# Altium PCB CubeSat Backplane.PcbDoc (part 4 of 4)
Units mm, origin at the board's own origin, x right, y up, seen from the top; angles counter-clockwise.
Board outline 79 x 138 mm, 6 copper layers (Top Layer, H1-ODD, H1-EVEN, H2-ODD, H2-EVEN, Bottom Layer), stack 1.576 mm thick; 61 components, 140 nets, 1310 pads, 1091 vias.
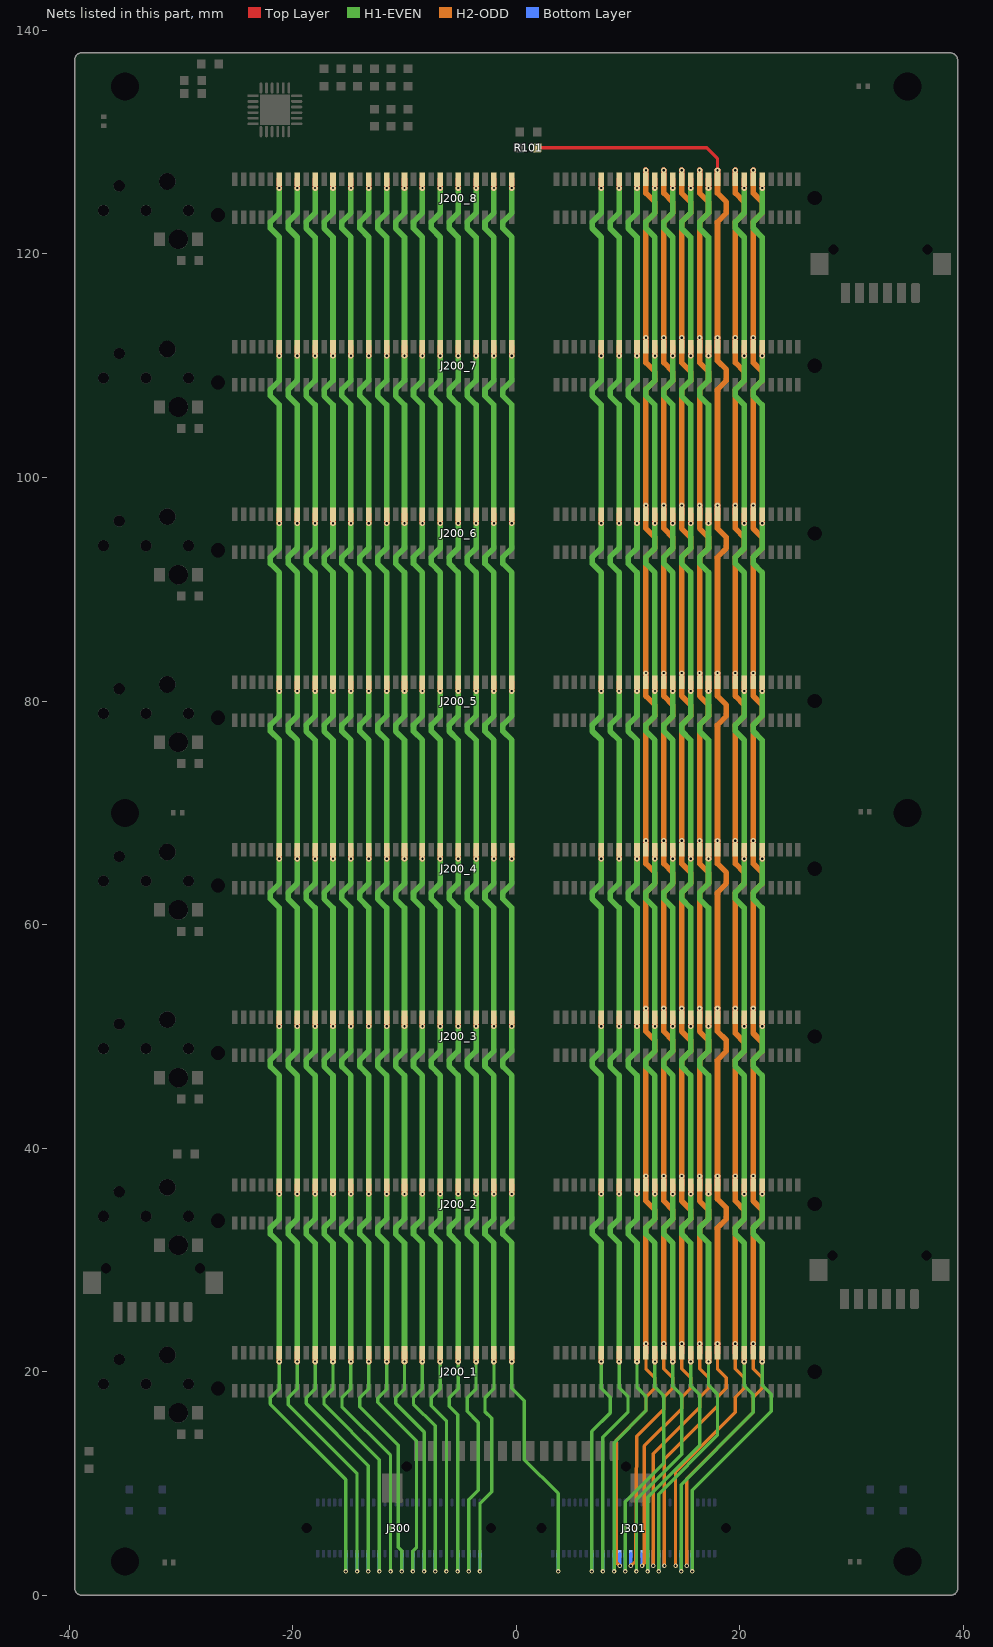
[diagram p8: the nets of this part, all layers, seen from the top]

## Via types
v1: diameter 0.5, hole 0.2, Top Layer to Bottom Layer, tented both sides, 1022 vias
v2: diameter 0.4, hole 0.2, Top Layer to Bottom Layer, tented both sides, 65 vias
v3: diameter 0.6, hole 0.3, Top Layer to Bottom Layer, tented both sides, 3 vias
v4: diameter 0.762, hole 0.406, Top Layer to Bottom Layer, tented both sides, 1 vias

## Nets (pads, with @x,y where several pads share a name; then routed paths per layer and width w, separated by ;. In a path a pad name is that pad's centre, name@x,y a point inside that pad or via, vN(x,y) a via of type N, cw(c..) or ccw(c..) an arc to the next point about the centre after c; other vN are vias at no path point) (continued)
TOP_ROW.H1-40: J200_1.86 J200_2.86 J200_3.86 J200_4.86 J200_5.86 J200_6.86 J200_7.86 J200_8.86 J301.26 | length 138.9
  Top Layer w0.5: J200_3.86@11.6,51.7 v1(11.6,52.5) ; J200_6.86@11.6,96.699 v1(11.6,97.499) ; J200_7.86@11.6,111.699 v1(11.6,112.499) ; J200_8.86@11.6,126.699 v1(11.6,127.499) ; J200_1.86@11.6,21.7 v1@11.6,22.5 ; J200_2.86@11.6,36.7 v1(11.6,37.5) ; J200_4.86@11.6,66.7 v1(11.6,67.5) ; J200_5.86@11.6,81.7 v1(11.6,82.5)
  H2-ODD w0.3: v2(9.25,2.625) 8.95,2.925 8.95,13.85 11.6,16.5 11.6,17.7 12.4,18.5 12.4,19.475 11.6,20.275 v1(11.6,22.5)
  H2-ODD w0.5: v1(11.6,22.5) 11.6,32.875 12.4,33.675 12.4,34.475 11.6,35.275 v1(11.6,37.5) 11.6,47.875 12.4,48.675 12.4,49.65 11.6,50.45 v1(11.6,52.5) 11.6,62.875 12.4,63.675 12.4,64.65 11.6,65.45 v1(11.6,67.5) 11.6,77.875 12.4,78.675 12.4,79.65 11.6,80.45 v1(11.6,82.5) 11.6,92.875 12.4,93.674 12.4,94.649 11.6,95.449 v1(11.6,97.499) 11.6,107.874 12.4,108.674 12.4,109.475 11.6,110.275 v1(11.6,112.499) 11.6,122.874 12.4,123.674 12.4,124.649 11.6,125.449 v1(11.6,127.499)
  Bottom Layer w0.3: v2(9.25,2.625) J301.26@9.25,3.7
TOP_ROW.H1-42: J200_1.90 J200_2.90 J200_3.90 J200_4.90 J200_5.90 J200_6.90 J200_7.90 J200_8.90 J301.30 | length 138.8
  Top Layer w0.5: J200_1.90@13.2,21.7 v1@13.2,22.5 ; J200_2.90@13.2,36.7 v1(13.2,37.5) ; J200_3.90@13.2,51.7 v1(13.2,52.5) ; J200_4.90@13.2,66.7 v1(13.2,67.5) ; J200_5.90@13.2,81.7 v1(13.2,82.5) ; J200_6.90@13.2,96.699 v1(13.2,97.499) ; J200_7.90@13.2,111.699 v1(13.2,112.499) ; J200_8.90@13.2,126.699 v1(13.2,127.499)
  H2-ODD w0.3: v2(10.25,2.625) 10.678,3.046 10.778,14.228 13.2,16.65 13.2,17.7 14,18.5 14,19.475 13.2,20.275 v1(13.2,22.5)
  H2-ODD w0.5: v1(13.2,22.5) 13.2,32.875 14,33.675 14,34.475 13.2,35.275 v1(13.2,37.5) 13.2,47.875 14,48.675 14,49.65 13.2,50.45 v1(13.2,52.5) 13.2,62.875 14,63.675 14,64.65 13.2,65.45 v1(13.2,67.5) 13.2,77.875 14,78.675 14,79.65 13.2,80.45 v1(13.2,82.5) 13.2,92.875 14,93.674 14,94.649 13.2,95.449 v1(13.2,97.499) 13.2,107.874 14,108.674 14,109.475 13.2,110.275 v1(13.2,112.499) 13.2,122.874 14,123.674 14,124.649 13.2,125.449 v1(13.2,127.499)
  Bottom Layer w0.3: v2(10.25,2.625) J301.30@10.25,3.7
TOP_ROW.H1-44: J200_1.94 J200_2.94 J200_3.94 J200_4.94 J200_5.94 J200_6.94 J200_7.94 J200_8.94 J301.34 | length 139.1
  Top Layer w0.5: J200_1.94@14.8,21.7 v1@14.8,22.5 ; J200_2.94@14.8,36.7 v1(14.8,37.5) ; J200_3.94@14.8,51.7 v1(14.8,52.5) ; J200_4.94@14.8,66.7 v1(14.8,67.5) ; J200_5.94@14.8,81.7 v1(14.8,82.5) ; J200_6.94@14.8,96.699 v1(14.8,97.499) ; J200_7.94@14.8,111.699 v1(14.8,112.499) ; J200_8.94@14.8,126.699 v1(14.8,127.499)
  H2-ODD w0.3: v2(11.25,2.625) 11.25,2.651 11.45,2.851 11.45,13.35 14.8,16.7 14.8,17.7 15.6,18.5 15.6,19.475 14.8,20.275 v1(14.8,22.5)
  H2-ODD w0.5: v1(14.8,22.5) 14.8,32.875 15.6,33.675 15.6,34.475 14.8,35.275 v1(14.8,37.5) 14.8,47.875 15.6,48.675 15.6,49.65 14.8,50.45 v1(14.8,52.5) 14.8,62.875 15.6,63.675 15.6,64.65 14.8,65.45 v1(14.8,67.5) 14.8,77.875 15.6,78.675 15.6,79.65 14.8,80.45 v1(14.8,82.5) 14.8,92.875 15.6,93.674 15.6,94.649 14.8,95.449 v1(14.8,97.499) 14.8,107.874 15.6,108.674 15.6,109.475 14.8,110.275 v1(14.8,112.499) 14.8,122.874 15.6,123.674 15.6,124.649 14.8,125.449 v1(14.8,127.499)
  Bottom Layer w0.3: v2(11.25,2.625) J301.34@11.25,3.7
TOP_ROW.H1-46: J200_1.98 J200_2.98 J200_3.98 J200_4.98 J200_5.98 J200_6.98 J200_7.98 J200_8.98 J301.38 | length 139.4
  Top Layer w0.5: J200_1.98@16.4,21.7 v1@16.4,22.5 ; J200_2.98@16.4,36.7 v1(16.4,37.5) ; J200_3.98@16.4,51.7 v1(16.4,52.5) ; J200_4.98@16.4,66.7 v1(16.4,67.5) ; J200_5.98@16.4,81.7 v1(16.4,82.5) ; J200_6.98@16.4,96.699 v1(16.4,97.499) ; J200_7.98@16.4,111.699 v1(16.4,112.499) ; J200_8.98@16.4,126.699 v1(16.4,127.499)
  H2-ODD w0.3: v2(12.25,2.625) 12.25,12.65 16.4,16.8 16.4,17.7 17.2,18.5 17.2,19.475 16.4,20.275 v1(16.4,22.5)
  H2-ODD w0.5: v1(16.4,22.5) 16.4,32.875 17.2,33.675 17.2,34.475 16.4,35.275 16.4,47.875 17.2,48.675 17.2,49.65 16.4,50.45 16.4,62.875 17.2,63.675 17.2,64.65 16.4,65.45 16.4,77.875 17.2,78.675 17.2,79.65 16.4,80.45 v1(16.4,82.5) 16.4,92.875 17.2,93.674 17.2,94.649 16.4,95.449 16.4,107.874 17.2,108.674 17.2,109.475 16.4,110.275 16.4,122.874 17.2,123.674 17.2,124.649 16.4,125.449 v1(16.4,127.499)
  Bottom Layer w0.3: v2(12.25,2.625) J301.38@12.25,3.7
TOP_ROW.H1-48: J200_1.102 J200_2.102 J200_3.102 J200_4.102 J200_5.102 J200_6.102 J200_7.102 J200_8.102 J301.42 R101.2 | length 157.2
  Top Layer w0.3: R101.2@1.872,129.5 17.05,129.5 18,128.55 v1(18,127.499)
  Top Layer w0.5: J200_1.102@18,21.7 v1(18,22.5) ; J200_2.102@18,36.7 v1(18,37.5) ; J200_3.102@18,51.7 v1(18,52.5) ; J200_4.102@18,66.7 v1(18,67.5) ; J200_5.102@18,81.7 v1(18,82.5) ; J200_6.102@18,96.699 v1(18,97.499) ; J200_7.102@18,111.699 v1(18,112.499) ; J200_8.102@18,126.699 v1(18,127.499)
  H2-ODD w0.3: v2(13.25,2.625) 13.25,12.175 18,16.925 18,17.7 18.8,18.5 18.8,19.475 18,20.275 v1(18,22.5)
  H2-ODD w0.5: v1(18,22.5) 18,32.875 18.8,33.675 18.8,34.65 18,35.45 18,47.875 18.8,48.675 18.8,49.65 18,50.45 18,62.875 18.8,63.675 18.8,64.65 18,65.45 18,77.875 18.8,78.675 18.8,79.65 18,80.45 18,92.875 18.8,93.674 18.8,94.649 18,95.449 18,107.874 18.8,108.674 18.8,109.649 18,110.449 18,122.874 18.8,123.674 18.8,124.649 18,125.449 v1(18,127.499)
  Bottom Layer w0.3: v2(13.25,2.625) J301.42@13.25,3.7
TOP_ROW.H1-50: J200_1.106 J200_2.106 J200_3.106 J200_4.106 J200_5.106 J200_6.106 J200_7.106 J200_8.106 J301.46 | length 139.9
  Top Layer w0.5: J200_6.106@19.6,96.699 v1(19.6,97.499) ; J200_7.106@19.6,111.699 v1(19.6,112.499) ; J200_1.106@19.6,21.7 v1(19.6,22.5) ; J200_2.106@19.6,36.7 v1(19.6,37.5) ; J200_3.106@19.6,51.7 v1(19.6,52.5) ; J200_4.106@19.6,66.7 v1(19.6,67.5) ; J200_5.106@19.6,81.7 v1(19.6,82.5) ; J200_8.106@19.6,126.699 v1(19.6,127.499)
  H2-ODD w0.3: v2@14.25,2.625 14.25,11.025 19.6,16.375 19.6,17.7 20.4,18.5 20.4,19.475 19.6,20.275 v1(19.6,22.5)
  H2-ODD w0.5: v1(19.6,127.499) 19.6,125.449 20.4,124.649 20.4,123.674 19.6,122.874 v1(19.6,112.499) 19.6,110.275 20.4,109.475 20.4,108.674 19.6,107.874 v1(19.6,97.499) 19.6,95.449 20.4,94.649 20.4,93.674 19.6,92.875 v1(19.6,82.5) 19.6,80.45 20.4,79.65 20.4,78.675 19.6,77.875 v1(19.6,67.5) 19.6,65.45 20.4,64.65 20.4,63.675 19.6,62.875 v1(19.6,52.5) 19.6,50.275 20.4,49.475 20.4,48.675 19.6,47.875 v1(19.6,37.5) 19.6,35.275 20.4,34.475 20.4,33.675 19.6,32.875 v1(19.6,22.5)
  Bottom Layer w0.3: v2(14.25,2.625) J301.46@14.25,3.7
TOP_ROW.H1-52: J200_1.110 J200_2.110 J200_3.110 J200_4.110 J200_5.110 J200_6.110 J200_7.110 J200_8.110 J301.50 | length 140.1
  Top Layer w0.5: J200_3.110@21.2,51.7 v1(21.2,52.5) ; J200_6.110@21.2,96.699 v1(21.2,97.499) ; J200_7.110@21.2,111.699 v1(21.2,112.499) ; J200_8.110@21.2,126.699 v1(21.2,127.499) ; J200_1.110@21.2,21.7 v1@21.2,22.5 ; J200_2.110@21.2,36.7 v1(21.2,37.5) ; J200_4.110@21.2,66.7 v1(21.2,67.5) ; J200_5.110@21.2,81.7 v1(21.2,82.5)
  H2-ODD w0.3: v2(15.25,2.625) 15.25,10.425 21.2,16.375 21.2,17.7 22,18.5 22,19.475 21.2,20.275 v1(21.2,22.5)
  H2-ODD w0.5: v1(21.2,22.5) 21.2,32.875 22,33.675 22,34.475 21.2,35.275 v1(21.2,37.5) 21.2,47.875 22,48.675 22,49.475 21.2,50.275 21.2,62.875 22,63.675 22,64.65 21.2,65.45 v1(21.2,67.5) 21.2,77.875 22,78.675 22,79.65 21.2,80.45 v1(21.2,82.5) 21.2,92.875 22,93.674 22,94.649 21.2,95.449 v1(21.2,97.499) 21.2,107.874 22,108.674 22,109.475 21.2,110.275 v1(21.2,112.499) 21.2,122.874 22,123.674 22,124.649 21.2,125.449 v1(21.2,127.499)
  Bottom Layer w0.3: v2(15.25,2.625) J301.50@15.25,3.7
TOP_ROW.H2-2: J200_1.12 J200_2.12 J200_3.12 J200_4.12 J200_5.12 J200_6.12 J200_7.12 J200_8.12 J300.12 | length 139.4
  Top Layer w0.5: v1@-21.2,50.9 J200_3.12@-21.2,51.7 ; v1(-21.2,20.9) J200_1.12@-21.2,21.7 ; v1(-21.2,35.9) J200_2.12@-21.2,36.7 ; v1(-21.2,65.9) J200_4.12@-21.2,66.7 ; v1(-21.2,80.9) J200_5.12@-21.2,81.7 ; v1(-21.2,95.899) J200_6.12@-21.2,96.699 ; v1(-21.2,110.899) J200_7.12@-21.2,111.699 ; v1(-21.2,125.899) J200_8.12@-21.2,126.699
  H1-EVEN w0.3: v1(-21.2,20.9) -21.2,18.475 -22,17.675 -22,17.1 -15.25,10.35 v2(-15.25,2.125)
  H1-EVEN w0.5: -21.2,91.499 -22,92.299 -22,92.874 -21.2,93.675 -21.2,106.499 ; -21.2,106.499 -22,107.299 -22,107.874 -21.2,108.675 -21.2,121.499 ; -21.2,121.499 -22,122.299 -22,122.874 -21.2,123.675 v1(-21.2,125.899) ; v1(-21.2,20.9) -21.2,31.5 -22,32.3 -22,32.875 -21.2,33.675 -21.2,46.5 -22,47.3 -22,47.875 -21.2,48.675 -21.2,61.5 -22,62.3 -22,62.875 -21.2,63.675 -21.2,76.5 -22,77.3 -22,77.875 -21.2,78.675 ; -21.2,78.775 -21.2,91.499
  Bottom Layer w0.3: v2(-15.25,2.125) J300.12@-15.25,3.7
  other v1: -21.2,50.9
TOP_ROW.H2-4: J200_1.16 J200_2.16 J200_3.16 J200_4.16 J200_5.16 J200_6.16 J200_7.16 J200_8.16 J300.16 | length 139.2
  Top Layer w0.5: v1@-19.6,50.9 J200_3.16@-19.6,51.7 ; v1(-19.6,95.899) J200_6.16@-19.6,96.699 ; v1(-19.6,110.899) J200_7.16@-19.6,111.699 ; v1(-19.6,125.899) J200_8.16@-19.6,126.699 ; v1(-19.6,20.9) J200_1.16@-19.6,21.7 ; v1(-19.6,35.9) J200_2.16@-19.6,36.7 ; v1(-19.6,65.9) J200_4.16@-19.6,66.7 ; v1(-19.6,80.9) J200_5.16@-19.6,81.7
  H1-EVEN w0.3: v1(-19.6,20.9) -19.6,18.45 -20.4,17.65 -20.4,17.025 -14.25,10.875 v2(-14.25,2.125)
  H1-EVEN w0.5: -19.6,91.499 -20.4,92.299 -20.4,92.874 -19.6,93.675 -19.6,106.499 -20.4,107.299 -20.4,107.874 -19.6,108.675 -19.6,121.499 -20.4,122.299 -20.4,122.874 -19.6,123.675 v1(-19.6,125.899) ; v1(-19.6,20.9) -19.6,31.5 -20.4,32.3 -20.4,32.875 -19.6,33.675 -19.6,46.5 -20.4,47.3 -20.4,47.875 -19.6,48.675 -19.6,61.5 -20.4,62.3 -20.4,62.875 -19.6,63.675 -19.6,76.5 -20.4,77.3 -20.4,77.875 -19.6,78.675 ; -19.6,78.775 -19.6,91.499
  Bottom Layer w0.3: v2(-14.25,2.125) J300.16@-14.25,3.7
  other v1: -19.6,50.9
TOP_ROW.H2-6: J200_1.20 J200_2.20 J200_3.20 J200_4.20 J200_5.20 J200_6.20 J200_7.20 J200_8.20 J300.20 | length 138.9
  Top Layer w0.5: v1(-18,20.9) J200_1.20@-18,21.7 ; v1@-18,50.9 J200_3.20@-18,51.7 ; v1(-18,80.9) J200_5.20@-18,81.7 ; v1(-18,95.899) J200_6.20@-18,96.699 ; v1(-18,110.899) J200_7.20@-18,111.699 ; v1(-18,125.899) J200_8.20@-18,126.699 ; v1(-18,35.9) J200_2.20@-18,36.7 ; v1(-18,65.9) J200_4.20@-18,66.7
  H1-EVEN w0.3: v1(-18,20.9) -18,18.45 -18.8,17.65 -18.8,17.15 -13.25,11.6 v2(-13.25,2.125)
  H1-EVEN w0.5: v1(-18,20.9) -18,31.5 -18.8,32.3 -18.8,32.875 -18,33.675 v1(-18,35.9) -18,46.5 ; -18,46.5 -18.8,47.3 -18.8,47.875 -18,48.675 -18,61.5 ; -18,61.5 -18.8,62.3 -18.8,62.875 -18,63.675 v1(-18,65.9) -18,76.5 -18.8,77.3 -18.8,77.875 -18,78.675 v1(-18,80.9) ; v1@-18,81 -18,91.499 -18.8,92.299 -18.8,92.874 -18,93.675 v1(-18,95.899) -18,106.499 -18.8,107.299 -18.8,107.874 -18,108.675 v1(-18,110.899) -18,121.499 -18.8,122.299 -18.8,122.874 -18,123.675 v1(-18,125.899)
  Bottom Layer w0.3: v2(-13.25,2.125) J300.20@-13.25,3.7
  other v1: -18,50.9
TOP_ROW.H2-8: J200_1.24 J200_2.24 J200_3.24 J200_4.24 J200_5.24 J200_6.24 J200_7.24 J200_8.24 J300.24 | length 138.7
  Top Layer w0.5: v1(-16.4,20.9) J200_1.24@-16.4,21.7 ; v1(-16.4,35.9) J200_2.24@-16.4,36.7 ; v1@-16.4,50.9 J200_3.24@-16.4,51.7 ; v1(-16.4,65.9) J200_4.24@-16.4,66.7 ; v1(-16.4,80.9) J200_5.24@-16.4,81.7 ; v1(-16.4,95.899) J200_6.24@-16.4,96.699 ; v1(-16.4,110.899) J200_7.24@-16.4,111.699 ; v1(-16.4,125.899) J200_8.24@-16.4,126.699
  H1-EVEN w0.3: v1(-16.4,20.9) -16.4,18.45 -17.2,17.65 -17.2,17.075 -12.25,12.125 v2(-12.25,2.125)
  H1-EVEN w0.5: v1(-16.4,20.9) -16.4,31.5 -17.2,32.3 -17.2,32.875 -16.4,33.675 v1(-16.4,35.9) -16.4,46.5 -17.2,47.3 -17.2,47.875 -16.4,48.675 -16.4,61.5 -17.2,62.3 -17.2,62.875 -16.4,63.675 v1(-16.4,65.9) -16.4,76.5 -17.2,77.3 -17.2,77.875 -16.4,78.675 v1(-16.4,80.9) ; v1@-16.4,81 -16.4,91.499 -17.2,92.299 -17.2,92.874 -16.4,93.675 v1(-16.4,95.899) -16.4,106.499 -17.2,107.299 -17.2,107.874 -16.4,108.675 v1(-16.4,110.899) -16.4,121.499 -17.2,122.299 -17.2,122.874 -16.4,123.675 v1(-16.4,125.899)
  Bottom Layer w0.3: v2(-12.25,2.125) J300.24@-12.25,3.7
  other v1: -16.4,50.9
TOP_ROW.H2-10: J200_1.28 J200_2.28 J200_3.28 J200_4.28 J200_5.28 J200_6.28 J200_7.28 J200_8.28 J300.28 | length 138.4
  Top Layer w0.5: v1(-14.8,20.9) J200_1.28@-14.8,21.7 ; v1(-14.8,35.9) J200_2.28@-14.8,36.7 ; v1@-14.8,50.9 J200_3.28@-14.8,51.7 ; v1(-14.8,65.9) J200_4.28@-14.8,66.7 ; v1(-14.8,80.9) J200_5.28@-14.8,81.7 ; v1@-14.8,95.899 J200_6.28@-14.8,96.699 ; v1@-14.8,110.899 J200_7.28@-14.8,111.699 ; v1@-14.8,125.899 J200_8.28@-14.8,126.699
  H1-EVEN w0.3: v1(-14.8,20.9) -14.8,18.475 -15.6,17.675 -15.6,16.85 -11.25,12.5 v2(-11.25,2.125)
  H1-EVEN w0.5: v1(-14.8,20.9) -14.8,31.5 -15.6,32.3 -15.6,32.875 -14.8,33.675 -14.8,46.5 -15.6,47.3 -15.6,47.875 -14.8,48.675 -14.8,61.5 -15.6,62.3 -15.6,62.875 -14.8,63.675 -14.8,76.5 -15.6,77.3 -15.6,77.875 -14.8,78.675 ; -14.8,78.775 -14.8,91.499 -15.6,92.299 -15.6,92.874 -14.8,93.675 -14.8,106.499 -15.6,107.299 -15.6,107.874 -14.8,108.675 -14.8,121.499 -15.6,122.299 -15.6,122.874 -14.8,123.675 v1@-14.8,125.899
  Bottom Layer w0.3: v2(-11.25,2.125) J300.28@-11.25,3.7
  other v1: -14.8,50.9 -14.8,95.899 -14.8,110.899 -14.8,125.899
TOP_ROW.H2-12: J200_1.32 J200_2.32 J200_3.32 J200_4.32 J200_5.32 J200_6.32 J200_7.32 J200_8.32 J300.32 | length 138.2
  Top Layer w0.5: v1@-13.2,20.9 J200_1.32@-13.2,21.7 ; v1(-13.2,35.9) J200_2.32@-13.2,36.7 ; v1@-13.2,50.9 J200_3.32@-13.2,51.7 ; v1(-13.2,65.9) J200_4.32@-13.2,66.7 ; v1@-13.2,80.9 J200_5.32@-13.2,81.7 ; v1(-13.2,95.899) J200_6.32@-13.2,96.699 ; v1(-13.2,110.899) J200_7.32@-13.2,111.699 ; v1(-13.2,125.899) J200_8.32@-13.2,126.699
  H1-EVEN w0.3: v1@-13.2,20.9 -13.2,18.45 -14,17.65 -14,16.85 -10.575,13.425 -10.575,4.3 -10.25,3.975 v2(-10.25,2.125)
  H1-EVEN w0.5: v1@-13.2,20.9 -13.2,31.5 -14,32.3 -14,32.875 -13.2,33.675 v1(-13.2,35.9) -13.2,46.5 -14,47.3 -14,47.875 -13.2,48.675 -13.2,50.9 -13.2,61.5 -14,62.3 -14,62.875 -13.2,63.675 v1(-13.2,65.9) -13.2,76.5 -14,77.3 -14,77.875 -13.2,78.675 ; -13.2,78.775 -13.2,80.9 -13.2,91.499 -14,92.299 -14,92.874 -13.2,93.675 v1(-13.2,95.899) -13.2,106.499 -14,107.299 -14,107.874 -13.2,108.675 v1(-13.2,110.899) -13.2,121.499 -14,122.299 -14,122.874 -13.2,123.675 v1(-13.2,125.899)
  Bottom Layer w0.3: v2(-10.25,2.125) J300.32@-10.25,3.7
  other v1: -13.2,20.9 -13.2,50.9 -13.2,80.9
TOP_ROW.H2-14: J200_1.36 J200_2.36 J200_3.36 J200_4.36 J200_5.36 J200_6.36 J200_7.36 J200_8.36 J300.36 | length 138.2
  Top Layer w0.5: v1(-11.6,20.9) J200_1.36@-11.6,21.7 ; v1(-11.6,35.9) J200_2.36@-11.6,36.7 ; v1@-11.6,50.9 J200_3.36@-11.6,51.7 ; v1(-11.6,65.9) J200_4.36@-11.6,66.7 ; v1(-11.6,80.9) J200_5.36@-11.6,81.7 ; v1(-11.6,95.899) J200_6.36@-11.6,96.699 ; v1(-11.6,110.899) J200_7.36@-11.6,111.699 ; v1(-11.6,125.899) J200_8.36@-11.6,126.699
  H1-EVEN w0.3: v1(-11.6,20.9) -11.6,18.425 -12.4,17.625 -12.4,17.25 -8.925,13.775 -8.925,4.275 -9.25,3.95 v2(-9.25,2.125)
  H1-EVEN w0.5: -11.6,91.499 -12.4,92.299 -12.4,92.874 -11.6,93.675 v1(-11.6,95.899) -11.6,106.499 ; -11.6,106.499 -12.4,107.299 -12.4,107.874 -11.6,108.675 v1(-11.6,110.899) -11.6,121.499 ; -11.6,121.499 -12.4,122.299 -12.4,122.874 -11.6,123.675 v1(-11.6,125.899) ; v1(-11.6,20.9) -11.6,31.5 -12.4,32.3 -12.4,32.875 -11.6,33.675 v1(-11.6,35.9) -11.6,46.5 -12.4,47.3 -12.4,47.875 -11.6,48.675 v1(-11.6,50.9) -11.6,61.5 -12.4,62.3 -12.4,62.875 -11.6,63.675 v1(-11.6,65.9) -11.6,76.5 -12.4,77.3 -12.4,77.875 -11.6,78.675 v1(-11.6,80.9) ; v1@-11.6,81 -11.6,91.499
  Bottom Layer w0.3: v2(-9.25,2.125) J300.36@-9.25,3.7
TOP_ROW.H2-16: J200_1.40 J200_2.40 J200_3.40 J200_4.40 J200_5.40 J200_6.40 J200_7.40 J200_8.40 J300.40 | length 137.7
  Top Layer w0.5: v1@-10,50.9 J200_3.40@-10,51.7 ; v1(-10,95.899) J200_6.40@-10,96.699 ; v1(-10,110.899) J200_7.40@-10,111.699 ; v1(-10,125.899) J200_8.40@-10,126.699 ; v1(-10,20.9) J200_1.40@-10,21.7 ; v1(-10,35.9) J200_2.40@-10,36.7 ; v1(-10,65.9) J200_4.40@-10,66.7 ; v1(-10,80.9) J200_5.40@-10,81.7
  H1-EVEN w0.3: v1(-10,20.9) -10,18.45 -10.8,17.65 -10.8,17.15 -8.25,14.6 v2(-8.25,2.125)
  H1-EVEN w0.5: -10,91.499 -10.8,92.299 -10.8,92.874 -10,93.675 -10,106.499 -10.8,107.299 -10.8,107.874 -10,108.675 -10,121.499 -10.8,122.299 -10.8,122.874 -10,123.675 v1(-10,125.899) ; v1(-10,20.9) -10,31.5 -10.8,32.3 -10.8,32.875 -10,33.675 -10,46.5 -10.8,47.3 -10.8,47.875 -10,48.675 -10,61.5 -10.8,62.3 -10.8,62.875 -10,63.675 -10,76.5 -10.8,77.3 -10.8,77.875 -10,78.675 ; -10,78.775 -10,91.499
  Bottom Layer w0.3: v2(-8.25,2.125) J300.40@-8.25,3.7
  other v1: -10,50.9
TOP_ROW.H2-18: J200_1.44 J200_2.44 J200_3.44 J200_4.44 J200_5.44 J200_6.44 J200_7.44 J200_8.44 J300.44 | length 137.4
  Top Layer w0.5: v1(-8.4,20.9) J200_1.44@-8.4,21.7 ; v1@-8.4,50.9 J200_3.44@-8.4,51.7 ; v1(-8.4,80.9) J200_5.44@-8.4,81.7 ; v1(-8.4,95.899) J200_6.44@-8.4,96.699 ; v1(-8.4,110.899) J200_7.44@-8.4,111.699 ; v1(-8.4,125.899) J200_8.44@-8.4,126.699 ; v1(-8.4,35.9) J200_2.44@-8.4,36.7 ; v1(-8.4,65.9) J200_4.44@-8.4,66.7
  H1-EVEN w0.3: v1(-8.4,20.9) -8.4,18.45 -9.2,17.65 -9.2,17.1 -7.25,15.15 v2(-7.25,2.125)
  H1-EVEN w0.5: v1(-8.4,20.9) -8.4,31.5 -9.2,32.3 -9.2,32.875 -8.4,33.675 -8.4,46.5 ; -8.4,46.5 -9.2,47.3 -9.2,47.875 -8.4,48.675 -8.4,61.5 ; -8.4,61.5 -9.2,62.3 -9.2,62.875 -8.4,63.675 -8.4,76.5 -9.2,77.3 -9.2,77.875 -8.4,78.675 ; -8.4,78.775 -8.4,91.499 -9.2,92.299 -9.2,92.874 -8.4,93.675 -8.4,106.499 -9.2,107.299 -9.2,107.874 -8.4,108.675 -8.4,121.499 -9.2,122.299 -9.2,122.874 -8.4,123.675 v1(-8.4,125.899)
  Bottom Layer w0.3: v2(-7.25,2.125) J300.44@-7.25,3.7
  other v1: -8.4,50.9
TOP_ROW.H2-20: J200_1.48 J200_2.48 J200_3.48 J200_4.48 J200_5.48 J200_6.48 J200_7.48 J200_8.48 J300.48 | length 137.2
  Top Layer w0.5: v1(-6.8,20.9) J200_1.48@-6.8,21.7 ; v1(-6.8,35.9) J200_2.48@-6.8,36.7 ; v1@-6.8,50.9 J200_3.48@-6.8,51.7 ; v1(-6.8,65.9) J200_4.48@-6.8,66.7 ; v1(-6.8,80.9) J200_5.48@-6.8,81.7 ; v1(-6.8,95.899) J200_6.48@-6.8,96.699 ; v1(-6.8,110.899) J200_7.48@-6.8,111.699 ; v1(-6.8,125.899) J200_8.48@-6.8,126.699
  H1-EVEN w0.3: v1(-6.8,20.9) -6.8,18.45 -7.6,17.65 -7.6,16.95 -6.25,15.6 v2(-6.25,2.125)
  H1-EVEN w0.5: v1(-6.8,20.9) -6.8,31.5 -7.6,32.3 -7.6,32.875 -6.8,33.675 -6.8,46.5 -7.6,47.3 -7.6,47.875 -6.8,48.675 -6.8,61.5 -7.6,62.3 -7.6,62.875 -6.8,63.675 -6.8,76.5 -7.6,77.3 -7.6,77.875 -6.8,78.675 ; -6.8,78.775 -6.8,91.499 -7.6,92.299 -7.6,92.874 -6.8,93.675 -6.8,106.499 -7.6,107.299 -7.6,107.874 -6.8,108.675 -6.8,121.499 -7.6,122.299 -7.6,122.874 -6.8,123.675 v1(-6.8,125.899)
  Bottom Layer w0.3: v2(-6.25,2.125) J300.48@-6.25,3.7
  other v1: -6.8,50.9
TOP_ROW.H2-22: J200_1.52 J200_2.52 J200_3.52 J200_4.52 J200_5.52 J200_6.52 J200_7.52 J200_8.52 J300.52 | length 136.9
  Top Layer w0.5: v1(-5.2,20.9) J200_1.52@-5.2,21.7 ; v1(-5.2,35.9) J200_2.52@-5.2,36.7 ; v1@-5.2,50.9 J200_3.52@-5.2,51.7 ; v1(-5.2,65.9) J200_4.52@-5.2,66.7 ; v1(-5.2,80.9) J200_5.52@-5.2,81.7 ; v1(-5.2,95.899) J200_6.52@-5.2,96.699 ; v1(-5.2,110.899) J200_7.52@-5.2,111.699 ; v1(-5.2,125.899) J200_8.52@-5.2,126.699
  H1-EVEN w0.3: v2(-5.25,2.125) -5.25,16.15 -6,16.9 -6,17.675 -5.2,18.475 v1(-5.2,20.9)
  H1-EVEN w0.5: v1(-5.2,20.9) -5.2,31.5 -6,32.3 -6,32.875 -5.2,33.675 v1(-5.2,35.9) -5.2,46.5 -6,47.3 -6,47.875 -5.2,48.675 -5.2,61.5 -6,62.3 -6,62.875 -5.2,63.675 v1(-5.2,65.9) -5.2,76.5 -6,77.3 -6,77.875 -5.2,78.675 v1(-5.2,80.9) ; v1@-5.2,81 -5.2,91.499 -6,92.299 -6,92.874 -5.2,93.675 v1(-5.2,95.899) -5.2,106.499 -6,107.299 -6,107.874 -5.2,108.675 v1(-5.2,110.899) -5.2,121.499 -6,122.299 -6,122.874 -5.2,123.675 v1(-5.2,125.899)
  Bottom Layer w0.3: v2(-5.25,2.125) J300.52@-5.25,3.7
  other v1: -5.2,50.9
TOP_ROW.H2-24: J200_1.56 J200_2.56 J200_3.56 J200_4.56 J200_5.56 J200_6.56 J200_7.56 J200_8.56 J300.56 | length 137.4
  Top Layer w0.5: v1(-3.6,20.9) J200_1.56@-3.6,21.7 ; v1(-3.6,35.9) J200_2.56@-3.6,36.7 ; v1@-3.6,50.9 J200_3.56@-3.6,51.7 ; v1(-3.6,65.9) J200_4.56@-3.6,66.7 ; v1(-3.6,80.9) J200_5.56@-3.6,81.7 ; v1(-3.6,95.899) J200_6.56@-3.6,96.699 ; v1(-3.6,110.899) J200_7.56@-3.6,111.699 ; v1(-3.6,125.899) J200_8.56@-3.6,126.699
  H1-EVEN w0.3: v2(-4.25,2.125) -4.25,8.55 -3.4,9.4 -3.4,15.45 -4.4,16.45 -4.4,17.65 -3.6,18.45 v1(-3.6,20.9)
  H1-EVEN w0.5: v1(-3.6,20.9) -3.6,31.5 -4.4,32.3 -4.4,32.875 -3.6,33.675 -3.6,46.5 -4.4,47.3 -4.4,47.875 -3.6,48.675 -3.6,61.5 -4.4,62.3 -4.4,62.875 -3.6,63.675 -3.6,76.5 -4.4,77.3 -4.4,77.875 -3.6,78.675 ; -3.6,78.775 -3.6,91.499 -4.4,92.299 -4.4,92.874 -3.6,93.675 -3.6,106.499 -4.4,107.299 -4.4,107.874 -3.6,108.675 -3.6,121.499 -4.4,122.299 -4.4,122.874 -3.6,123.675 v1(-3.6,125.899)
  Bottom Layer w0.3: v2(-4.25,2.125) J300.56@-4.25,3.7
  other v1: -3.6,50.9
TOP_ROW.H2-26: J200_1.60 J200_2.60 J200_3.60 J200_4.60 J200_5.60 J200_6.60 J200_7.60 J200_8.60 J300.60 | length 137.3
  Top Layer w0.5: v1(-2,20.9) J200_1.60@-2,21.7 ; v1(-2,35.9) J200_2.60@-2,36.7 ; v1@-2,50.9 J200_3.60@-2,51.7 ; v1(-2,65.9) J200_4.60@-2,66.7 ; v1(-2,80.9) J200_5.60@-2,81.7 ; v1(-2,95.899) J200_6.60@-2,96.699 ; v1(-2,110.899) J200_7.60@-2,111.699 ; v1(-2,125.899) J200_8.60@-2,126.699
  H1-EVEN w0.3: v2(-3.25,2.125) -3.25,8.2 -2.2,9.25 -2.2,15.825 -2.8,16.425 -2.8,17.65 -2,18.45 v1(-2,20.9)
  H1-EVEN w0.5: v1(-2,20.9) -2,31.5 -2.8,32.3 -2.8,32.875 -2,33.675 -2,46.5 -2.8,47.3 -2.8,47.875 -2,48.675 -2,61.5 -2.8,62.3 -2.8,62.875 -2,63.675 -2,76.5 -2.8,77.3 -2.8,77.875 -2,78.675 ; -2,78.775 -2,91.499 -2.8,92.299 -2.8,92.874 -2,93.675 -2,106.499 -2.8,107.299 -2.8,107.874 -2,108.675 -2,121.499 -2.8,122.299 -2.8,122.874 -2,123.675 v1(-2,125.899)
  Bottom Layer w0.3: v2(-3.25,2.125) J300.60@-3.25,3.7
  other v1: -2,50.9
TOP_ROW.H2-28: J200_1.64 J200_2.64 J200_3.64 J200_4.64 J200_5.64 J200_6.64 J200_7.64 J200_8.64 J301.4 | length 138
  Top Layer w0.5: v1@-0.4,50.9 J200_3.64@-0.4,51.7 ; v1(-0.4,20.9) J200_1.64@-0.4,21.7 ; v1(-0.4,35.9) J200_2.64@-0.4,36.7 ; v1(-0.4,65.9) J200_4.64@-0.4,66.7 ; v1(-0.4,80.9) J200_5.64@-0.4,81.7 ; v1(-0.4,95.899) J200_6.64@-0.4,96.699 ; v1(-0.4,110.899) J200_7.64@-0.4,111.699 ; v1(-0.4,125.899) J200_8.64@-0.4,126.699
  H1-EVEN w0.3: v1(-0.4,20.9) -0.4,18.525 0.725,17.4 0.725,12.125 3.75,9.1 v2(3.75,2.125)
  H1-EVEN w0.5: -0.4,91.499 -1.2,92.299 -1.2,92.874 -0.4,93.675 -0.4,106.499 ; -0.4,106.499 -1.2,107.299 -1.2,107.874 -0.4,108.675 -0.4,121.499 ; -0.4,121.499 -1.2,122.299 -1.2,122.874 -0.4,123.675 v1(-0.4,125.899) ; v1(-0.4,20.9) -0.4,31.5 -1.2,32.3 -1.2,32.875 -0.4,33.675 -0.4,46.5 -1.2,47.3 -1.2,47.875 -0.4,48.675 -0.4,61.5 -1.2,62.3 -1.2,62.875 -0.4,63.675 -0.4,76.5 -1.2,77.3 -1.2,77.875 -0.4,78.675 ; -0.4,78.775 -0.4,91.499
  Bottom Layer w0.3: v2(3.75,2.125) J301.4@3.75,3.7
  other v1: -0.4,50.9
TOP_ROW.H2-34: J200_1.76 J200_2.76 J200_3.76 J200_4.76 J200_5.76 J200_6.76 J200_7.76 J200_8.76 J301.16 | length 137.3
  Top Layer w0.5: v1(7.6,20.9) J200_1.76@7.6,21.7 ; v1@7.6,35.9 J200_2.76@7.6,36.7 ; v1@7.6,50.9 J200_3.76@7.6,51.7 ; v1@7.6,65.9 J200_4.76@7.6,66.7 ; v1(7.6,80.9) J200_5.76@7.6,81.7 ; v1(7.6,95.899) J200_6.76@7.6,96.699 ; v1(7.6,110.899) J200_7.76@7.6,111.699 ; v1(7.6,125.899) J200_8.76@7.6,126.699
  H1-EVEN w0.3: v2(6.75,2.125) 6.75,14.65 8.4,16.3 8.4,17.7 7.6,18.5 v1(7.6,20.9)
  H1-EVEN w0.5: v1(7.6,20.9) 7.6,31.5 6.8,32.3 6.8,32.875 7.6,33.675 7.6,46.5 6.8,47.3 6.8,47.875 7.6,48.675 7.6,61.5 6.8,62.3 6.8,62.875 7.6,63.675 7.6,76.5 6.8,77.3 6.8,77.875 7.6,78.675 ; 7.6,78.775 7.6,91.499 6.8,92.299 6.8,92.874 7.6,93.675 7.6,106.499 6.8,107.299 6.8,107.874 7.6,108.675 7.6,121.499 6.8,122.299 6.8,122.874 7.6,123.675 v1(7.6,125.899)
  Bottom Layer w0.3: v2(6.75,2.125) J301.16@6.75,3.7
  other v1: 7.6,35.9 7.6,50.9 7.6,65.9
TOP_ROW.H2-36: J200_1.80 J200_2.80 J200_3.80 J200_4.80 J200_5.80 J200_6.80 J200_7.80 J200_8.80 J301.20 | length 137.6
  Top Layer w0.5: v1@9.2,50.9 J200_3.80@9.2,51.7 ; v1(9.2,20.9) J200_1.80@9.2,21.7 ; v1(9.2,35.9) J200_2.80@9.2,36.7 ; v1(9.2,65.9) J200_4.80@9.2,66.7 ; v1(9.2,80.9) J200_5.80@9.2,81.7 ; v1(9.2,95.899) J200_6.80@9.2,96.699 ; v1(9.2,110.899) J200_7.80@9.2,111.699 ; v1(9.2,125.899) J200_8.80@9.2,126.699
  H1-EVEN w0.3: v2(7.75,2.125) 7.75,14.15 10,16.4 10,17.75 9.2,18.55 v1(9.2,20.9)
  H1-EVEN w0.5: 9.2,91.499 8.4,92.299 8.4,92.874 9.2,93.675 9.2,106.499 ; 9.2,106.499 8.4,107.299 8.4,107.874 9.2,108.675 9.2,121.499 ; 9.2,121.499 8.4,122.299 8.4,122.874 9.2,123.675 v1(9.2,125.899) ; v1(9.2,20.9) 9.2,31.5 8.4,32.3 8.4,32.875 9.2,33.675 9.2,46.5 8.4,47.3 8.4,47.875 9.2,48.675 9.2,61.5 8.4,62.3 8.4,62.875 9.2,63.675 9.2,76.5 8.4,77.3 8.4,77.875 9.2,78.675 ; 9.2,78.775 9.2,91.499
  Bottom Layer w0.3: v2(7.75,2.125) J301.20@7.75,3.7
  other v1: 9.2,50.9
TOP_ROW.H2-38: J200_1.84 J200_2.84 J200_3.84 J200_4.84 J200_5.84 J200_6.84 J200_7.84 J200_8.84 J301.24 | length 137.8
  Top Layer w0.5: v1@10.8,50.9 J200_3.84@10.8,51.7 ; v1(10.8,95.899) J200_6.84@10.8,96.699 ; v1(10.8,110.899) J200_7.84@10.8,111.699 ; v1(10.8,125.899) J200_8.84@10.8,126.699 ; v1(10.8,20.9) J200_1.84@10.8,21.7 ; v1(10.8,35.9) J200_2.84@10.8,36.7 ; v1(10.8,65.9) J200_4.84@10.8,66.7 ; v1(10.8,80.9) J200_5.84@10.8,81.7
  H1-EVEN w0.3: v2(8.75,2.125) 8.75,13.65 11.6,16.5 11.6,17.8 10.8,18.6 v1(10.8,20.9)
  H1-EVEN w0.5: 10.8,91.499 10,92.299 10,92.874 10.8,93.675 v1(10.8,95.899) 10.8,106.499 10,107.299 10,107.874 10.8,108.675 v1(10.8,110.899) 10.8,121.499 10,122.299 10,122.874 10.8,123.675 v1(10.8,125.899) ; v1(10.8,20.9) 10.8,31.5 10,32.3 10,32.875 10.8,33.675 v1(10.8,35.9) 10.8,46.5 10,47.3 10,47.875 10.8,48.675 10.8,61.5 10,62.3 10,62.875 10.8,63.675 v1(10.8,65.9) 10.8,76.5 10,77.3 10,77.875 10.8,78.675 v1(10.8,80.9) ; v1@10.8,81 10.8,91.499
  Bottom Layer w0.3: v2(8.75,2.125) J301.24@8.75,3.7
  other v1: 10.8,50.9
TOP_ROW.H2-40: J200_1.88 J200_2.88 J200_3.88 J200_4.88 J200_5.88 J200_6.88 J200_7.88 J200_8.88 J301.28 | length 138
  Top Layer w0.5: v1(12.4,20.9) J200_1.88@12.4,21.7 ; v1@12.4,50.9 J200_3.88@12.4,51.7 ; v1(12.4,80.9) J200_5.88@12.4,81.7 ; v1(12.4,95.899) J200_6.88@12.4,96.699 ; v1(12.4,110.899) J200_7.88@12.4,111.699 ; v1(12.4,125.899) J200_8.88@12.4,126.699 ; v1(12.4,35.9) J200_2.88@12.4,36.7 ; v1(12.4,65.9) J200_4.88@12.4,66.7
  H1-EVEN w0.3: v2(9.75,2.125) 9.75,8.35 13.2,11.8 13.2,17.85 12.4,18.65 v1(12.4,20.9)
  H1-EVEN w0.5: v1(12.4,20.9) 12.4,31.5 11.6,32.3 11.6,32.875 12.4,33.675 v1(12.4,35.9) 12.4,46.5 ; 12.4,46.5 11.6,47.3 11.6,47.875 12.4,48.675 v1(12.4,50.9) 12.4,61.5 ; 12.4,61.5 11.6,62.3 11.6,62.875 12.4,63.675 v1(12.4,65.9) 12.4,76.5 11.6,77.3 11.6,77.875 12.4,78.675 v1(12.4,80.9) ; v1@12.4,81 12.4,91.499 11.6,92.299 11.6,92.874 12.4,93.675 v1(12.4,95.899) 12.4,106.499 11.6,107.299 11.6,107.874 12.4,108.675 v1(12.4,110.899) 12.4,121.499 11.6,122.299 11.6,122.874 12.4,123.675 v1(12.4,125.899)
  Bottom Layer w0.3: v2(9.75,2.125) J301.28@9.75,3.7
TOP_ROW.H2-42: J200_1.92 J200_2.92 J200_3.92 J200_4.92 J200_5.92 J200_6.92 J200_7.92 J200_8.92 J301.32 | length 138.3
  Top Layer w0.5: v1(14,20.9) J200_1.92@14,21.7 ; v1(14,35.9) J200_2.92@14,36.7 ; v1@14,50.9 J200_3.92@14,51.7 ; v1(14,65.9) J200_4.92@14,66.7 ; v1(14,80.9) J200_5.92@14,81.7 ; v1(14,95.899) J200_6.92@14,96.699 ; v1(14,110.899) J200_7.92@14,111.699 ; v1(14,125.899) J200_8.92@14,126.699
  H1-EVEN w0.3: v2(10.75,2.125) 10.75,8.55 14.8,12.6 14.8,17.9 14,18.7 v1(14,20.9)
  H1-EVEN w0.5: v1(14,20.9) 14,31.5 13.2,32.3 13.2,32.875 14,33.675 v1(14,35.9) 14,46.5 13.2,47.3 13.2,47.875 14,48.675 v1(14,50.9) 14,61.5 13.2,62.3 13.2,62.875 14,63.675 v1(14,65.9) 14,76.5 13.2,77.3 13.2,77.875 14,78.675 ; 14,78.775 v1(14,80.9) 14,91.499 13.2,92.299 13.2,92.874 14,93.675 v1(14,95.899) 14,106.499 13.2,107.299 13.2,107.874 14,108.675 v1(14,110.899) 14,121.499 13.2,122.299 13.2,122.874 14,123.675 v1(14,125.899)
  Bottom Layer w0.3: v2(10.75,2.125) J301.32@10.75,3.7
TOP_ROW.H2-44: J200_1.96 J200_2.96 J200_3.96 J200_4.96 J200_5.96 J200_6.96 J200_7.96 J200_8.96 J301.36 | length 138.5
  Top Layer w0.5: v1(15.6,20.9) J200_1.96@15.6,21.7 ; v1(15.6,35.9) J200_2.96@15.6,36.7 ; v1@15.6,50.9 J200_3.96@15.6,51.7 ; v1(15.6,65.9) J200_4.96@15.6,66.7 ; v1(15.6,80.9) J200_5.96@15.6,81.7 ; v1(15.6,95.899) J200_6.96@15.6,96.699 ; v1(15.6,110.899) J200_7.96@15.6,111.699 ; v1(15.6,125.899) J200_8.96@15.6,126.699
  H1-EVEN w0.3: v2(11.75,2.125) 11.75,8.775 16.4,13.425 16.4,17.95 15.6,18.75 v1(15.6,20.9)
  H1-EVEN w0.5: v1(15.6,20.9) 15.6,31.5 14.8,32.3 14.8,32.875 15.6,33.675 v1(15.6,35.9) 15.6,46.5 14.8,47.3 14.8,47.875 15.6,48.675 v1(15.6,50.9) 15.6,61.5 14.8,62.3 14.8,62.875 15.6,63.675 v1(15.6,65.9) 15.6,76.5 14.8,77.3 14.8,77.875 15.6,78.675 ; 15.6,78.775 v1(15.6,80.9) 15.6,91.499 14.8,92.299 14.8,92.874 15.6,93.675 v1(15.6,95.899) 15.6,106.499 14.8,107.299 14.8,107.874 15.6,108.675 v1(15.6,110.899) 15.6,121.499 14.8,122.299 14.8,122.874 15.6,123.675 v1(15.6,125.899)
  Bottom Layer w0.3: v2(11.75,2.125) J301.36@11.75,3.7
TOP_ROW.H2-46: J200_1.100 J200_2.100 J200_3.100 J200_4.100 J200_5.100 J200_6.100 J200_7.100 J200_8.100 J301.40 | length 138.8
  Top Layer w0.5: v1(17.2,20.9) J200_1.100@17.2,21.7 ; v1(17.2,35.9) J200_2.100@17.2,36.7 ; v1@17.2,50.9 J200_3.100@17.2,51.7 ; v1(17.2,65.9) J200_4.100@17.2,66.7 ; v1(17.2,80.9) J200_5.100@17.2,81.7 ; v1(17.2,95.899) J200_6.100@17.2,96.699 ; v1(17.2,110.899) J200_7.100@17.2,111.699 ; v1(17.2,125.899) J200_8.100@17.2,126.699
  H1-EVEN w0.3: v2(12.75,2.125) 12.75,9.05 18,14.3 18,18 17.2,18.8 v1(17.2,20.9)
  H1-EVEN w0.5: v1(17.2,20.9) 17.2,31.5 16.4,32.3 16.4,32.875 17.2,33.675 v1(17.2,35.9) 17.2,46.5 16.4,47.3 16.4,47.875 17.2,48.675 v1(17.2,50.9) 17.2,61.5 16.4,62.3 16.4,62.875 17.2,63.675 v1(17.2,65.9) 17.2,76.5 16.4,77.3 16.4,77.875 17.2,78.675 ; 17.2,78.775 v1(17.2,80.9) 17.2,91.499 16.4,92.299 16.4,92.874 17.2,93.675 v1(17.2,95.899) 17.2,106.499 16.4,107.299 16.4,107.874 17.2,108.675 v1(17.2,110.899) 17.2,121.499 16.4,122.299 16.4,122.874 17.2,123.675 v1(17.2,125.899)
  Bottom Layer w0.3: v2(12.75,2.125) J301.40@12.75,3.7
TOP_ROW.H2-50: J200_1.108 J200_2.108 J200_3.108 J200_4.108 J200_5.108 J200_6.108 J200_7.108 J200_8.108 J301.48 | length 139.3
  Top Layer w0.5: v1@20.4,50.9 J200_3.108@20.4,51.7 ; v1(20.4,95.899) J200_6.108@20.4,96.699 ; v1(20.4,110.899) J200_7.108@20.4,111.699 ; v1(20.4,125.899) J200_8.108@20.4,126.699 ; v1(20.4,20.9) J200_1.108@20.4,21.7 ; v1(20.4,35.9) J200_2.108@20.4,36.7 ; v1(20.4,65.9) J200_4.108@20.4,66.7 ; v1(20.4,80.9) J200_5.108@20.4,81.7
  H1-EVEN w0.3: v2(14.75,2.125) 14.75,9.9 21.2,16.35 21.2,17.95 20.4,18.75 v1(20.4,20.9)
  H1-EVEN w0.5: 20.4,91.499 19.6,92.299 19.6,92.874 20.4,93.675 20.4,106.499 19.6,107.299 19.6,107.874 20.4,108.675 20.4,121.499 19.6,122.299 19.6,122.874 20.4,123.675 v1(20.4,125.899) ; v1(20.4,20.9) 20.4,31.5 19.6,32.3 19.6,32.875 20.4,33.675 20.4,46.5 19.6,47.3 19.6,47.875 20.4,48.675 20.4,61.5 19.6,62.3 19.6,62.875 20.4,63.675 20.4,76.5 19.6,77.3 19.6,77.875 20.4,78.675 ; 20.4,78.775 20.4,91.499
  Bottom Layer w0.3: v2(14.75,2.125) J301.48@14.75,3.7
  other v1: 20.4,50.9
TOP_ROW.H2-52: J200_1.112 J200_2.112 J200_3.112 J200_4.112 J200_5.112 J200_6.112 J200_7.112 J200_8.112 J301.52 | length 139.5
  Top Layer w0.5: v1(22,20.9) J200_1.112@22,21.7 ; v1@22,50.9 J200_3.112@22,51.7 ; v1(22,80.9) J200_5.112@22,81.7 ; v1(22,95.899) J200_6.112@22,96.699 ; v1(22,110.899) J200_7.112@22,111.699 ; v1(22,125.899) J200_8.112@22,126.699 ; v1(22,35.9) J200_2.112@22,36.7 ; v1(22,65.9) J200_4.112@22,66.7
  H1-EVEN w0.3: v2(15.75,2.125) 15.75,9.4 22.8,16.45 22.8,17.975 22,18.775 v1(22,20.9)
  H1-EVEN w0.5: v1(22,20.9) 22,31.5 21.2,32.3 21.2,32.875 22,33.675 22,46.5 ; 22,46.5 21.2,47.3 21.2,47.875 22,48.675 22,61.5 ; 22,61.5 21.2,62.3 21.2,62.875 22,63.675 22,76.5 21.2,77.3 21.2,77.875 22,78.675 ; 22,78.775 22,91.499 21.2,92.299 21.2,92.874 22,93.675 22,106.499 21.2,107.299 21.2,107.874 22,108.675 22,121.499 21.2,122.299 21.2,122.874 22,123.675 v1(22,125.899)
  Bottom Layer w0.3: v2(15.75,2.125) J301.52@15.75,3.7
  other v1: 22,50.9
pads on no net: D600_1.MH1 D600_2.MH1 D600_3.MH1 D600_4.MH1 D600_5.MH1 D600_6.MH1 D600_7.MH1 D600_8.MH1 J100.TH J105.TH J106.TH J107.TH J200_1.MH1 J200_1.MH2 J200_1.TH J200_2.MH1 J200_2.MH2 J200_2.TH J200_3.MH1 J200_3.MH2 J200_3.TH J200_4.MH1 J200_4.MH2 J200_4.TH J200_5.MH1 J200_5.MH2 J200_5.TH J200_6.MH1 J200_6.MH2 J200_6.TH J200_7.MH1 J200_7.MH2 J200_7.TH J200_8.MH1 J200_8.MH2 J200_8.TH J300.TH J301.TH U500.10 U500.11 U500.12 U500.13 U500.14 U500.15 U500.16 U500.17

## Polygon pours and split planes (outlines as drawn)
CHS on Top Layer "CHS_L01_P008" (solid, pour order 8): -39.25,0.259 -39.25,138 39.25,138 39.25,0.75 cw(c38.759,0.75) 38.759,0.259
GND on Bottom Layer "GND_L06_P014" (solid, pour order 14): -39.5,0 39.5,0 39.5,138 -39.5,138
5V_USB on H2-EVEN "5V_USB_L05_P032" (solid, pour order 32): -39.5,0 39.5,0 39.5,138 -39.5,138
no net on H2-ODD "NONET_L04_P036" (solid, pour order 36): -39.5,0 39.5,0 39.5,138 -39.5,138
CHS on H1-EVEN "CHS_L03_P030" (solid, pour order 30): -39.5,-19.395 39.5,-19.395 39.5,138 -39.5,138
GND on H1-ODD "GND_L02_P034" (solid, pour order 34): -39.5,0 39.5,0 39.5,138 -39.5,138
no net on Layer0 "Default Coverlay 1 Top" (split plane): -30.5,-21.544 -30.5,5.8 -23,5.8 -23,-21.544
no net on Layer0 "Default Coverlay 1 Bottom" (split plane): -30.5,-21.544 -30.5,5.8 -23,5.8 -23,-21.544
no net on Layer0 "Default Coverlay 3 Top" (split plane): -30.5,-21.545 -30.5,5.8 -23,5.8 -23,-21.544
no net on Layer0 "Default Coverlay 3 Bottom" (split plane): -30.5,-21.545 -30.5,5.8 -23,5.8 -23,-21.544

## Silkscreen, mask and mechanical layers (free items; w line width, h text height)
Top Overlay:
  rectangle: 4.4,132.4 18.9,135.4
  text "SN:" at -0.766,132.9 h2
  text "PWA CUBESAT BACKPLANE / P/N: RD17-7000 / REV: INIT" at -1.474,69.106 h1.02
Board:
  the board outline again, w0.254
CubeSat Chassis:
  lines w0.254: -22,1 22,1 22,10 -22,10 -22,1
Drill Drawing:
  circle w0.254: c83.003,50.112 r0.508
  circle w0.254: c83.003,50.112 r0.847
  circle w0.254: c83.003,34.872 r0.847
  lines w0.254: 82.156,26.405 83.85,26.405 83.85,28.098 82.156,28.098 82.156,26.405 ; 82.156,30.638 82.58,30.638 82.58,30.215 83.426,30.215 83.426,30.638 83.85,30.638 83.85,31.485 83.426,31.485 83.426,31.908 82.58,31.908 82.58,31.485 82.156,31.485 82.156,30.638 ; 82.156,37.835 82.156,38.258 82.58,38.682 82.156,39.105 82.156,39.528 82.58,39.528 83.003,39.105 83.426,39.528 83.85,39.528 83.85,39.105 83.426,38.682 83.85,38.258 83.85,37.835 83.426,37.835 83.003,38.258 82.58,37.835 82.156,37.835 ; 82.156,42.068 82.58,42.068 83.003,41.645 83.426,42.068 83.85,42.068 83.426,42.492 83.85,42.915 83.426,42.915 83.003,43.338 82.58,42.915 82.156,42.915 82.58,42.492 82.156,42.068 ; 82.156,45.455 83.003,45.878 83.85,45.455 83.426,46.302 83.85,47.148 83.003,46.725 82.156,47.148 82.58,46.302 82.156,45.455 ; 82.156,53.075 83.85,53.075 83.85,54.768 82.156,54.768 82.156,53.075 ; 82.156,58.578 83.85,58.578 83.003,56.885 82.156,58.578 ; 82.495,26.744 83.511,26.744 83.511,27.76 82.495,27.76 82.495,26.744
  lines w0.381: 80.638,25.262 179.164,25.262 ; 80.638,59.552 179.164,59.552 ; 94.63,21.452 94.63,63.362 ; 112.354,21.452 112.354,63.362 ; 146.533,21.452 146.533,63.362 ; 159.382,21.452 159.382,63.362 ; 80.638,21.452 179.164,21.452 179.164,63.362 80.638,63.362 80.638,21.452
  text "Symbol" at 82.924,60.695 h1.83
  text "Hit Count" at 95.773,60.695 h1.83
  text "Finished Hole Size" at 113.497,60.695 h1.83
  text "Plated" at 147.676,60.695 h1.83
  text "Hole Type" at 160.525,60.695 h1.83
  text "1" at 95.773,56.885 h1.52
  text "0.406mm (16.00mil)" at 113.497,56.885 h1.52
  text "PTH" at 147.676,56.885 h1.52
  text "Round" at 160.525,56.885 h1.52
  text "3" at 95.773,53.075 h1.52
  text "0.300mm (11.81mil)" at 113.497,53.075 h1.52
  text "PTH" at 147.676,53.075 h1.52
  text "Round" at 160.525,53.075 h1.52
  text "6" at 95.773,49.265 h1.52
  text "2.500mm (98.43mil)" at 113.497,49.265 h1.52
  text "NPTH" at 147.676,49.265 h1.52
  text "Round" at 160.525,49.265 h1.52
  text "8" at 95.773,45.455 h1.52
  text "1.500mm (59.06mil)" at 113.497,45.455 h1.52
  text "NPTH" at 147.676,45.455 h1.52
  text "Round" at 160.525,45.455 h1.52
  text "8" at 95.773,41.645 h1.52
  text "1.750mm (68.90mil)" at 113.497,41.645 h1.52
  text "NPTH" at 147.676,41.645 h1.52
  text "Round" at 160.525,41.645 h1.52
  text "12" at 95.773,37.835 h1.52
  text "0.900mm (35.43mil)" at 113.497,37.835 h1.52
  text "NPTH" at 147.676,37.835 h1.52
  text "Round" at 160.525,37.835 h1.52
  text "16" at 95.773,34.025 h1.52
  text "1.270mm (50.00mil)" at 113.497,34.025 h1.52
  text "NPTH" at 147.676,34.025 h1.52
  text "Round" at 160.525,34.025 h1.52
  text "32" at 95.773,30.215 h1.52
  text "1.000mm (39.37mil)" at 113.497,30.215 h1.52
  text "NPTH" at 147.676,30.215 h1.52
  text "Round" at 160.525,30.215 h1.52
  text "1087" at 95.773,26.405 h1.52
  text "0.200mm (7.87mil)" at 113.497,26.405 h1.52
  text "PTH" at 147.676,26.405 h1.52
  text "Round" at 160.525,26.405 h1.52
  text "1173 Total" at 95.773,22.595 h1.52

## Text inside footprints (layer, text, board x,y; h text height)
D600_1: Top Overlay "+" at -29.13,17.21 h0.89
D600_2: Top Overlay "+" at -29.13,32.21 h0.89
D600_3: Top Overlay "+" at -29.13,47.21 h0.89
D600_4: Top Overlay "+" at -29.13,62.21 h0.89
D600_5: Top Overlay "+" at -29.13,77.21 h0.89
D600_6: Top Overlay "+" at -29.13,92.209 h0.89
D600_7: Top Overlay "+" at -29.13,107.209 h0.89
D600_8: Top Overlay "+" at -29.13,122.209 h0.89
J100: Top Overlay "1" at 9.831,12.392 h1.02
J300: Bottom Overlay "60" at -1.7,2.5 h0.5; Bottom Overlay "59" at -1.7,9 h0.5; Bottom Overlay "2" at -18.4,2.5 h0.5; Bottom Overlay "1" at -18.4,9 h0.5
J301: Bottom Overlay "1" at 2.6,9 h0.5; Bottom Overlay "2" at 2.6,2.5 h0.5; Bottom Overlay "59" at 19.3,9 h0.5; Bottom Overlay "60" at 19.3,2.5 h0.5